# Altium PCB radxa_nx4_io_board_v1.11.PcbDoc (part 6 of 13) (continued)
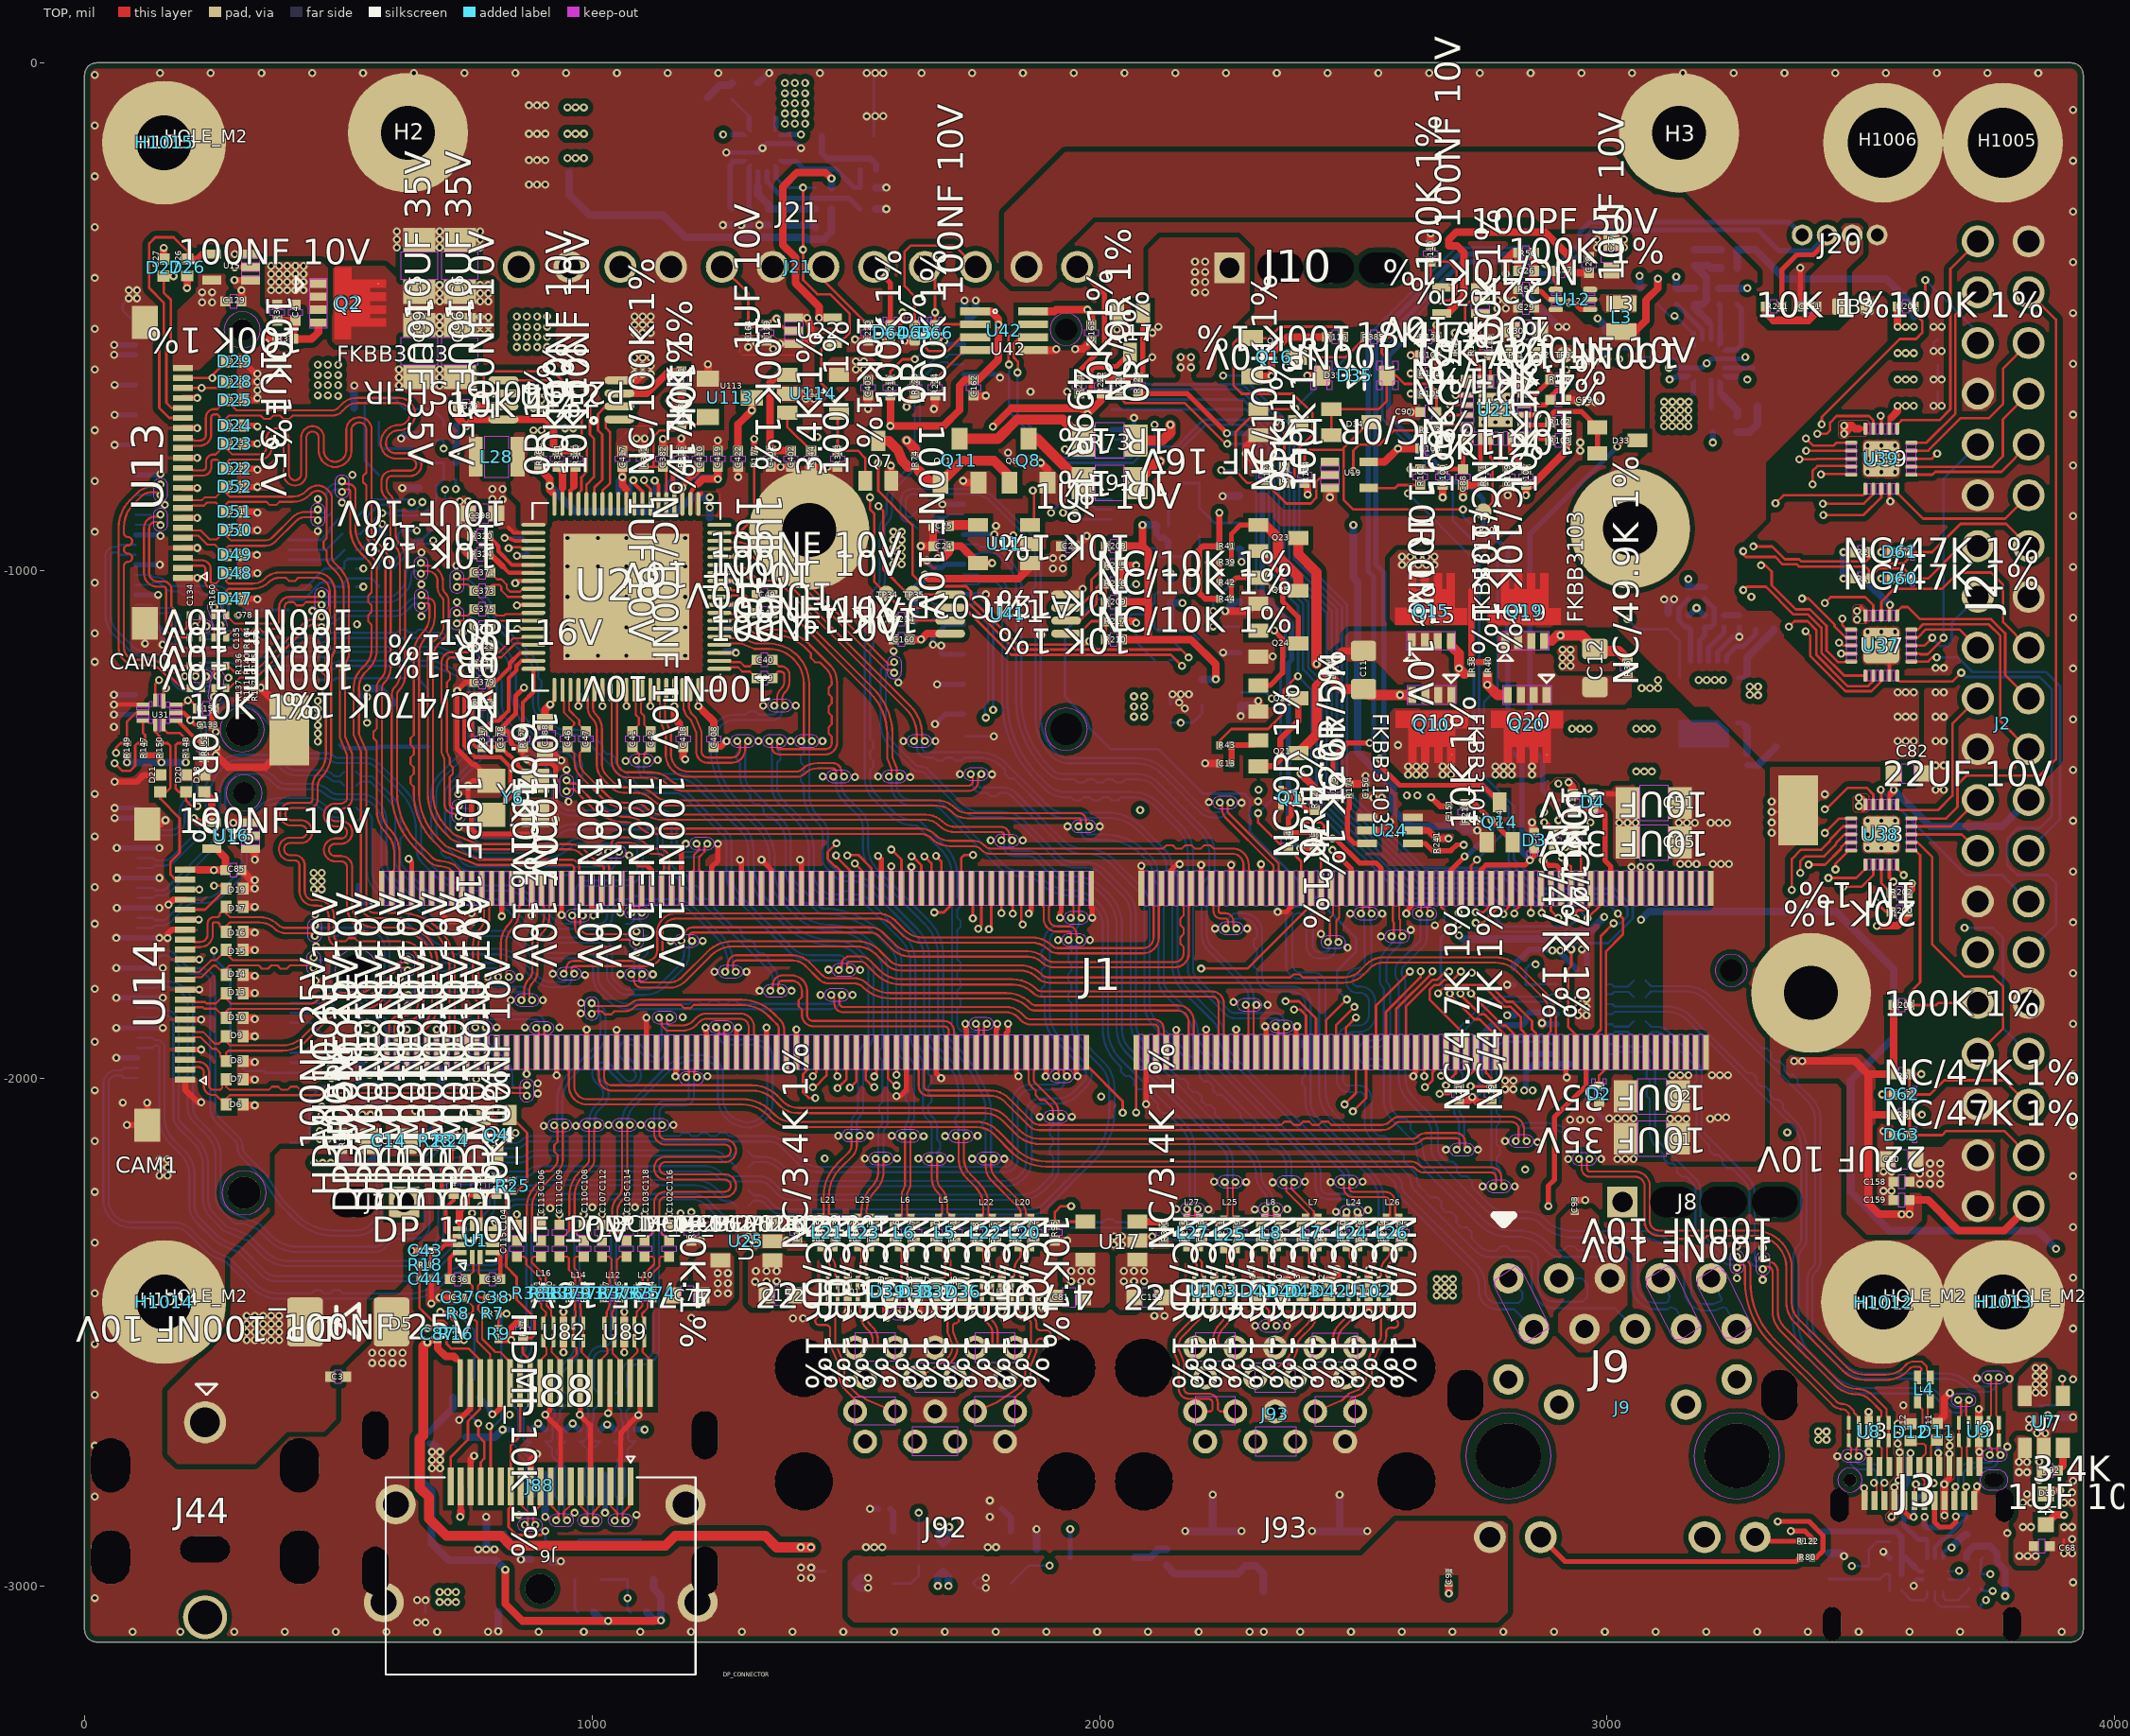
[diagram p0: TOP view]
## Nets (pads, with @x,y where several pads share a name; then routed paths per layer and width w, separated by ;. In a path a pad name is that pad's centre, name@x,y a point inside that pad or via, vN(x,y) a via of type N, cw(c..) or ccw(c..) an arc to the next point about the centre after c; other vN are vias at no path point) (continued)
HUB2_SSRX_P: L20.3 R354.1 U28.71 | length 1539.9
  TOP w4.06: U28.71@1130.99,-1235.07 1130.99,-1254.98 1133.69,-1257.68 1133.69,-1294.21 1144.37,-1320 1145.64,-1323.06 1145.64,-1362.54 ccw(c1189.46,-1362.54) 1189.46,-1406.36 1403.91,-1406.36 ccw(c1403.9,-1382.85) 1420.54,-1399.46 cw(c1443.85,-1422.79) 1443.85,-1389.81 1474.81,-1389.81 cw(c1474.81,-1396) 1481,-1396 1481,-1400.65 v1(1475.68,-1405.97) ; v1(1770.42,-2158.75) 1775.74,-2164.07 1775.74,-2173.7 ccw(c1816.04,-2173.71) 1787.54,-2202.2 1839.61,-2254.27 cw(c1827.03,-2266.85) 1844.82,-2266.84 1844.82,-2275.43 R354.1@1832,-2288.25
  BOTTOM w4.06: v1(1475.68,-1405.97) 1481,-1411.29 1481,-1420.93 ccw(c1526.24,-1420.92) 1494.25,-1452.91 1523.72,-1482.38 cw(c1499.49,-1506.63) 1533.77,-1506.62 1533.77,-1545.24 ccw(c1604.61,-1545.25) 1554.51,-1595.33 1655.91,-1696.73 cw(c1593.38,-1759.26) 1681.81,-1759.25 1681.81,-1903.97 ccw(c1709.17,-1903.97) 1689.81,-1923.3 1715.24,-1948.72 cw(c1569.19,-2094.78) 1752.56,-1999.7 1766.49,-2026.58 cw(c1693.35,-2064.51) 1775.74,-2064.51 1775.74,-2079.62 1769.44,-2085.92 1769.44,-2098.09 1775.74,-2104.39 1775.74,-2153.43 v1(1770.42,-2158.75)
HUB2_SSRX_P_J25: J92.6 L20.2 R354.2 U100.2 U100.9 | length 429.5
  TOP w4.06: J92.6@1754.74,-2656.55 1796.4,-2639.29 1837.46,-2611.88 1843.53,-2605.82 ccw(c1819.15,-2581.42) 1853.64,-2581.43 1853.64,-2565.24 1865.13,-2537.5 1865.13,-2483.49 ccw(c1856.46,-2483.49) 1856.46,-2474.82 1846.76,-2474.82 cw(c1846.76,-2460.4) 1832.34,-2460.4 1832.34,-2450.41 1827.68,-2445.75 U100.9@1827.68,-2437.22 U100.2@1827.68,-2402.78 1827.68,-2393.32 1832.35,-2388.65 1832.35,-2376.33 cw(c1859.77,-2376.34) 1840.38,-2356.95 ccw(c1829.71,-2346.25) 1844.82,-2346.26 1844.82,-2332.57 R354.2@1832,-2319.75
HUB2_SSTX_N: C42.2 L21.4 R353.1 | length 1255
  TOP w4.06: v1(1108.5,-1374.03) 1103.18,-1368.71 1103.18,-1360.57 C42.2@1116,-1347.75 ; R353.1@1480,-2288.25 1467,-2275.25 1467,-2231.24 cw(c1543.24,-2231.24) 1489.33,-2177.33 1513.29,-2153.37 ccw(c1492.59,-2132.66) 1521.87,-2132.66 1521.87,-2118.49 v1(1527.19,-2113.17)
  BOTTOM w4.06: v1(1108.5,-1374.03) 1102.27,-1380.26 1102.27,-1392.11 ccw(c1110.74,-1392.11) 1110.74,-1400.58 1172.66,-1400.58 cw(c1172.66,-1455.62) 1211.58,-1416.7 1299.71,-1504.83 cw(c1255.37,-1549.16) 1318.07,-1549.16 1318.07,-1569.85 ccw(c1447.38,-1569.85) 1355.94,-1661.28 1385.1,-1690.44 ccw(c1477.18,-1598.36) 1477.18,-1728.58 cw(c1477.22,-1802.55) 1529.53,-1750.25 1547.33,-1768.05 cw(c1528.66,-1786.73) 1555.07,-1786.73 1555.07,-1911.62 cw(c1513.28,-1911.62) 1542.83,-1941.17 ; v1(1527.19,-2113.17) 1521.87,-2107.85 1521.87,-2088.42 cw(c1537.06,-2088.43) 1526.34,-2077.67 ccw(c1506.67,-2057.94) 1534.53,-2057.94 1534.53,-1961.19 cw(c1562.82,-1961.19) 1542.82,-1941.18
HUB2_SSTX_N_J25: J92.8 L21.1 R353.2 U101.4 U101.7 | length 410.5
  TOP w4.06: R353.2@1480,-2319.75 1467.18,-2332.57 1467.18,-2343.06 ccw(c1482.29,-2343.05) 1471.61,-2353.74 cw(c1452.21,-2373.16) 1479.66,-2373.16 1479.66,-2388.67 1484.32,-2393.33 U101.4@1484.32,-2402.78 U101.7@1484.32,-2437.22 1484.32,-2447.68 1479.65,-2452.35 1479.65,-2522.12 1496.85,-2563.65 1496.85,-2580.75 ccw(c1535.24,-2580.75) 1508.09,-2607.89 1525.92,-2625.72 1535.29,-2628.56 1539.25,-2632.52 J92.8@1597.26,-2656.55
HUB2_SSTX_P: C41.2 L21.3 R355.1 | length 1254.1
  TOP w4.06: C41.2@1080,-1347.75 1092.82,-1360.57 1092.82,-1368.71 v1(1087.5,-1374.03) ; R355.1@1444,-2288.25 1456.64,-2275.61 1456.64,-2231.24 cw(c1543.24,-2231.23) 1482,-2170 1505.96,-2146.04 ccw(c1492.59,-2132.65) 1511.51,-2132.66 1511.51,-2118.49 v1(1506.19,-2113.17)
  BOTTOM w4.06: v1(1087.5,-1374.03) 1091.91,-1378.44 1091.91,-1392.11 ccw(c1110.74,-1392.11) 1110.74,-1410.94 1172.66,-1410.94 cw(c1172.65,-1455.62) 1204.25,-1424.03 1292.38,-1512.16 cw(c1255.38,-1549.17) 1307.71,-1549.16 1307.71,-1569.85 ccw(c1447.38,-1569.86) 1348.61,-1668.61 1377.77,-1697.77 ccw(c1477.17,-1598.35) 1477.18,-1738.94 cw(c1477.21,-1802.55) 1522.2,-1757.58 1540,-1775.38 cw(c1528.66,-1786.74) 1544.71,-1786.73 1544.71,-1911.62 cw(c1513.28,-1911.61) 1535.5,-1933.84 ccw(c1562.83,-1961.18) 1524.17,-1961.19 1524.17,-2057.94 cw(c1506.67,-2057.93) 1519.04,-2070.31 ; v1(1506.19,-2113.17) 1511.51,-2107.85 1511.51,-2088.41 cw(c1537.07,-2088.42) 1519.01,-2070.33
HUB2_SSTX_P_J25: J92.9 L21.2 R355.2 U101.5 U101.6 | length 408.7
  TOP w4.06: R355.2@1444,-2319.75 1456.82,-2332.57 1456.82,-2343.07 ccw(c1482.29,-2343.06) 1464.28,-2361.07 ; 1464.29,-2361.08 cw(c1452.21,-2373.17) 1469.3,-2373.16 1469.3,-2388.71 1464.63,-2393.38 U101.5@1464.63,-2402.78 U101.6@1464.63,-2437.22 1464.63,-2444.63 1469.29,-2449.29 1469.29,-2461.79 cw(c1461.17,-2461.79) 1461.17,-2469.91 1448.05,-2469.91 ccw(c1448.05,-2478.03) 1448.05,-2486.15 1461.17,-2486.15 cw(c1461.17,-2494.27) 1469.29,-2494.27 1469.29,-2524.19 1486.49,-2565.72 1486.49,-2580.75 ccw(c1535.24,-2580.76) 1500.76,-2615.22 1518.52,-2632.98 J92.9@1518.52,-2656.55
HUB3_DM: L7.3 R96.1 U28.66 | length 2150.6
  TOP w4.06: U28.66@1052.25,-1235.07 1052.25,-1255.76 1049.56,-1258.45 1049.56,-1375.86 ccw(c1071.34,-1375.86) 1071.34,-1397.64 1117.98,-1397.64 cw(c1117.98,-1448.72) 1154.1,-1412.6 ccw(c1181.62,-1385.08) 1181.62,-1424 1741.76,-1424 ccw(c1741.76,-1415.27) 1750.49,-1415.27 1750.49,-1405.37 v1(1746.08,-1400.96) ; v1(2362.35,-2205.18) 2367.67,-2210.5 2367.67,-2222.33 2412,-2266.66 2412,-2274.25 R96.1@2398,-2288.25
  BOTTOM w4.06: v1(1746.08,-1400.96) 1750.49,-1405.37 1750.49,-1421.94 ccw(c1766.56,-1421.94) 1766.56,-1438.01 1778.72,-1438.01 1785.02,-1444.31 1797.2,-1444.31 1803.5,-1438.01 1810.38,-1438.01 cw(c1810.38,-1462.56) 1827.74,-1445.2 1921.32,-1538.78 ccw(c1967.51,-1492.58) 1967.5,-1557.91 1972.92,-1557.91 cw(c1972.91,-1628.89) 2023.1,-1578.7 2076.34,-1631.94 cw(c2046.8,-1661.49) 2088.58,-1661.48 2088.58,-1852.8 ccw(c2154.13,-1852.81) 2107.78,-1899.16 2171.29,-1962.67 2171.29,-1971.59 2179.9,-1980.2 2188.82,-1980.2 2197.42,-1988.8 2197.42,-1997.72 2206.02,-2006.32 2214.94,-2006.32 2223.54,-2014.92 2223.54,-2023.84 2232.15,-2032.45 2241.07,-2032.45 2278.75,-2070.13 2278.75,-2079.05 2287.35,-2087.65 2296.27,-2087.65 2304.87,-2096.25 2304.87,-2105.17 2313.48,-2113.78 2322.4,-2113.78 2331,-2122.38 2331,-2131.3 2339.6,-2139.9 2348.52,-2139.9 2357.12,-2148.5 cw(c2331.66,-2173.97) 2367.67,-2173.96 2367.67,-2199.86 v1(2362.35,-2205.18)
HUB3_DM_J53: D43.1 J93.11 L7.2 R96.2 | length 355.9
  TOP w4.06: J93.11@2306.63,-2589.62 2331.71,-2589.62 2368.36,-2552.97 ccw(c2340.29,-2524.88) 2380,-2524.89 cw(c2407.84,-2524.87) 2388.15,-2505.19 2408.19,-2485.15 ccw(c2386.2,-2463.14) 2417.31,-2463.15 2417.31,-2445.3 2408.25,-2436.24 D43.1@2401.39,-2436.24 ; R96.2@2398,-2319.75 2398,-2329.99 2412.82,-2344.81 2412.82,-2371.48 2421.64,-2380.3 2421.64,-2415.99 D43.1@2401.39,-2436.24 ; D43.1@2400.49,-2436.24 D43.1@2401.39,-2436.24
HUB3_DP: L7.4 R97.1 U28.65 | length 2148.8
  TOP w4.06: U28.65@1036.5,-1235.07 1036.5,-1256.5 1039.2,-1259.2 1039.2,-1375.86 ccw(c1071.34,-1375.86) 1071.34,-1408 1117.98,-1408 cw(c1117.97,-1448.72) 1146.77,-1419.93 ccw(c1181.61,-1385.08) 1181.62,-1434.36 1741.76,-1434.36 ccw(c1741.76,-1415.27) 1760.85,-1415.27 1760.85,-1407.19 v1(1767.08,-1400.96) ; v1(2383.35,-2205.18) 2378.03,-2210.5 2378.03,-2218.03 2422.36,-2262.36 2422.36,-2272.61 R97.1@2438,-2288.25
  BOTTOM w4.06: v1(1767.08,-1400.96) 1760.85,-1407.19 1760.85,-1421.94 ccw(c1766.56,-1421.94) 1766.56,-1427.65 1810.38,-1427.65 cw(c1810.39,-1462.57) 1835.07,-1437.87 1928.65,-1531.45 ccw(c1967.52,-1492.58) 1967.51,-1547.55 1972.91,-1547.55 cw(c1972.92,-1628.89) 2030.43,-1571.37 2083.67,-1624.61 cw(c2046.79,-1661.48) 2098.94,-1661.48 2098.94,-1852.8 ccw(c2154.13,-1852.8) 2115.11,-1891.83 2364.45,-2141.17 cw(c2331.65,-2173.96) 2378.03,-2173.96 2378.03,-2199.86 v1(2383.35,-2205.18)
HUB3_DP_J53: D42.1 J93.12 L7.1 R97.2 | length 355
  TOP w4.06: J93.12@2385.37,-2589.62 2367.14,-2589.62 2359.63,-2582.11 2359.63,-2576.36 2375.69,-2560.3 ccw(c2340.29,-2524.89) 2390.36,-2524.89 cw(c2407.84,-2524.88) 2395.48,-2512.52 2415.52,-2492.48 ccw(c2386.19,-2463.15) 2427.67,-2463.16 2427.67,-2440.32 2431.75,-2436.24 D42.1@2451.59,-2436.24 ; R97.2@2438,-2319.75 2438,-2329.99 2423.18,-2344.81 2423.18,-2367.18 2432,-2376 2432,-2416.65 D42.1@2451.59,-2436.24 ; D42.1@2452.49,-2436.24 D42.1@2451.59,-2436.24
HUB3_SSRX_N: L24.4 R248.1 U28.63 | length 2238.5
  TOP w4.06: U28.63@1005.01,-1235.07 1005.01,-1254.99 1002.32,-1257.68 1002.32,-1270.7 ccw(c1020.72,-1270.7) 1007.71,-1283.71 cw(c978.09,-1313.36) 1020,-1313.35 1020,-1382.53 ccw(c1048.67,-1382.52) 1028.4,-1402.8 1046.09,-1420.49 ccw(c1062.82,-1403.77) 1062.81,-1427.42 1087.07,-1427.42 cw(c1087.07,-1479.45) 1123.86,-1442.66 ccw(c1148.8,-1417.76) 1148.79,-1453 1679.77,-1453 cw(c1679.79,-1504.21) 1716,-1468 ccw(c1739.51,-1444.5) 1739.5,-1477.74 1958.96,-1477.74 cw(c1958.96,-1492.16) 1973.38,-1492.16 1973.38,-1497.87 v1(1979.61,-1504.1) ; v1(2507.68,-2263.27) 2502.36,-2268.59 2502.36,-2272.61 R248.1@2518,-2288.25
  BOTTOM w4.06: v1(1979.61,-1504.1) 1974.29,-1509.42 1974.29,-1514.3 ccw(c1980.12,-1514.3) 1980.12,-1520.13 2010.41,-1520.13 cw(c2010.4,-1633.77) 2090.75,-1553.41 2102.58,-1565.24 cw(c2074.25,-1593.58) 2114.32,-1593.57 ; 2114.32,-1593.61 ccw(c2135.37,-1593.6) 2120.49,-1608.49 cw(c2106.37,-1622.64) 2126.36,-1622.64 2126.36,-1808.01 ccw(c2151.35,-1808.01) 2133.68,-1825.68 2174.39,-1866.39 cw(c2127.05,-1913.73) 2194,-1913.73 ccw(c2229.31,-1913.75) 2204.35,-1938.73 2420.65,-2155.03 cw(c2383.59,-2192.09) 2436,-2192.08 2436,-2214.51 ccw(c2449.49,-2214.51) 2449.49,-2228 2486.36,-2228 cw(c2486.36,-2244) 2502.36,-2244 2502.36,-2257.95 v1(2507.68,-2263.27)
HUB3_SSRX_N_J53: J93.14 L24.1 R248.2 U102.4 U102.7 | length 266.1
  TOP w4.06: J93.14@2503.48,-2530.57 2473.35,-2530.57 2469.29,-2526.51 2469.29,-2517.79 cw(c2505.7,-2517.79) 2479.96,-2492.04 2498.2,-2473.8 ccw(c2480.19,-2455.79) 2505.66,-2455.79 2505.66,-2450.33 2510.32,-2445.67 U102.7@2510.32,-2437.22 U102.4@2510.32,-2402.78 2510.32,-2393.31 2505.66,-2388.65 2505.66,-2351.79 2503.18,-2349.31 2503.18,-2334.57 R248.2@2518,-2319.75
HUB3_SSRX_P: L24.3 R250.1 U28.62 | length 2237.1
  TOP w4.06: U28.62@989.26,-1235.07 989.26,-1253.26 991.96,-1255.96 991.96,-1270.7 ccw(c1020.72,-1270.71) 1000.38,-1291.04 cw(c978.09,-1313.37) 1009.64,-1313.36 1009.64,-1382.53 ccw(c1048.68,-1382.53) 1021.07,-1410.13 1038.76,-1427.82 ccw(c1062.81,-1403.76) 1062.8,-1437.78 1087.07,-1437.78 cw(c1087.06,-1479.44) 1116.53,-1449.99 ccw(c1148.79,-1417.76) 1148.78,-1463.36 1679.78,-1463.36 cw(c1679.78,-1504.21) 1708.67,-1475.33 ccw(c1739.5,-1444.5) 1739.49,-1488.1 1958.96,-1488.1 cw(c1958.96,-1492.16) 1963.02,-1492.16 1963.02,-1499.69 v1(1958.61,-1504.1) ; R250.1@2478,-2288.25 2492,-2274.25 2492,-2268.59 v1(2486.68,-2263.27)
  BOTTOM w4.06: v1(1958.61,-1504.1) 1963.93,-1509.42 1963.93,-1514.3 ccw(c1980.12,-1514.3) 1980.12,-1530.49 2010.4,-1530.49 cw(c2010.39,-1633.76) 2083.42,-1560.74 2095.25,-1572.57 cw(c2074.25,-1593.59) 2103.96,-1593.58 ccw(c2135.37,-1593.61) 2113.16,-1615.82 ; 2113.18,-1615.84 cw(c2106.37,-1622.65) 2116,-1622.64 2116,-1808.01 ccw(c2151.35,-1808.02) 2126.35,-1833.01 2167.06,-1873.72 cw(c2127.06,-1913.74) 2183.64,-1913.73 ccw(c2229.32,-1913.76) 2197.02,-1946.06 2413.32,-2162.36 cw(c2383.59,-2192.1) 2425.64,-2192.09 2425.64,-2214.51 ccw(c2449.49,-2214.51) 2449.49,-2238.36 2486.36,-2238.36 cw(c2486.36,-2244) 2492,-2244 2492,-2257.95 v1(2486.68,-2263.27)
HUB3_SSRX_P_J53: J93.15 L24.2 R250.2 U102.5 U102.6 | length 266.1
  TOP w4.06: J93.15@2424.74,-2530.57 2454.87,-2530.57 2458.93,-2526.51 2458.93,-2517.79 cw(c2505.7,-2517.78) 2472.63,-2484.71 2490.87,-2466.47 ccw(c2480.19,-2455.78) 2495.3,-2455.79 2495.3,-2451.29 2490.63,-2446.62 U102.6@2490.63,-2437.22 U102.5@2490.63,-2402.78 2490.63,-2393.38 2495.3,-2388.71 2495.3,-2356.09 2492.82,-2353.61 2492.82,-2334.57 R250.2@2478,-2319.75
HUB3_SSTX_N: C47.2 L25.4 R249.1 | length 1949
  TOP w4.06: C47.2@988,-1347.75 976,-1359.75 976,-1376.1 ccw(c1007.63,-1376.1) 985.27,-1398.47 1028.68,-1441.88 ccw(c1066.75,-1403.78) 1066.7,-1457.64 1083.53,-1457.67 cw(c1083.5,-1491.89) 1107.7,-1467.69 ccw(c1139.83,-1435.57) 1139.82,-1481 1658.22,-1481 cw(c1658.22,-1526.34) 1690.28,-1494.28 ccw(c1716.53,-1468.05) 1716.53,-1505.16 1806.42,-1505.16 cw(c1806.42,-1521.1) 1822.36,-1521.1 1822.36,-1526.23 v1(1827.68,-1531.55) ; v1(2267.68,-2204.45) 2262.36,-2209.77 2262.36,-2274.61 R249.1@2276,-2288.25
  BOTTOM w4.06: v1(1827.68,-1531.55) 1822.36,-1536.87 1822.36,-1543.69 ccw(c1830.67,-1543.69) 1830.67,-1552 1859.98,-1552 cw(c1859.97,-1580.1) 1879.84,-1560.23 1901.93,-1582.32 ccw(c1950.37,-1533.9) 1950.36,-1602.39 ; 1950.38,-1602.39 cw(c1950.37,-1683.22) 2007.52,-1626.06 2018,-1636.54 cw(c1955,-1699.55) 2044.1,-1699.54 2044.1,-1903.58 ccw(c2099.46,-1903.58) 2060.31,-1942.72 2250.19,-2132.6 cw(c2220.82,-2161.98) 2262.36,-2161.97 2262.36,-2199.13 v1(2267.68,-2204.45)
HUB3_SSTX_N_J53: J93.17 L25.1 R249.2 U103.1 U103.10 | length 260.5
  TOP w4.06: J93.17@2267.26,-2530.57 2237.13,-2530.57 2233.07,-2526.51 2233.07,-2518.62 cw(c2270.95,-2518.62) 2244.17,-2491.83 2246.22,-2489.78 ccw(c2211.28,-2454.83) 2260.7,-2454.83 2260.7,-2451.29 2265.37,-2446.62 U103.10@2265.37,-2437.22 U103.1@2265.37,-2402.78 2265.37,-2393.37 2260.71,-2388.71 2260.71,-2372 2262.18,-2370.53 2262.18,-2333.57 R249.2@2276,-2319.75
HUB3_SSTX_P: C46.2 L25.3 R251.1 | length 1949.8
  TOP w4.06: C46.2@952,-1347.75 965.64,-1361.39 965.64,-1376.1 ccw(c1007.63,-1376.11) 977.94,-1405.8 1021.35,-1449.22 ccw(c1066.73,-1403.78) 1037.77,-1461.1 ccw(c1066.75,-1403.79) 1066.69,-1468.01 1083.52,-1468.03 cw(c1083.5,-1491.89) 1100.37,-1475.02 ccw(c1139.82,-1435.57) 1139.82,-1491.36 1658.22,-1491.36 cw(c1658.21,-1526.34) 1682.95,-1501.61 ccw(c1716.52,-1468.05) 1716.53,-1515.52 1806.42,-1515.52 cw(c1806.42,-1521.1) 1812,-1521.1 1812,-1526.23 v1(1806.68,-1531.55) ; R251.1@2238,-2288.25 2252,-2274.25 2252,-2209.77 v1(2246.68,-2204.45)
  BOTTOM w4.06: v1(1806.68,-1531.55) 1812,-1536.87 1812,-1543.69 ccw(c1830.67,-1543.69) 1830.67,-1562.36 1859.97,-1562.36 cw(c1859.96,-1580.1) 1872.51,-1567.56 1894.6,-1589.65 ccw(c1950.36,-1533.9) 1950.36,-1612.75 cw(c1950.36,-1683.21) 2000.19,-1633.39 2010.67,-1643.87 cw(c1955,-1699.55) 2033.74,-1699.55 2033.74,-1903.58 ccw(c2099.46,-1903.59) 2052.98,-1950.05 2242.86,-2139.93 cw(c2220.82,-2161.98) 2252,-2161.98 2252,-2199.13 v1(2246.68,-2204.45)
HUB3_SSTX_P_J53: J93.18 L25.2 R251.2 U103.2 U103.9 | length 260.5
  TOP w4.06: J93.18@2188.52,-2530.57 2218.65,-2530.57 2222.71,-2526.51 2222.71,-2518.62 cw(c2270.95,-2518.61) 2236.84,-2484.5 2238.89,-2482.45 ccw(c2211.28,-2454.82) 2250.34,-2454.83 2250.34,-2451.33 2245.68,-2446.67 U103.9@2245.68,-2437.22 U103.2@2245.68,-2402.78 2245.68,-2394.32 2250.35,-2389.65 2250.35,-2367.7 2251.82,-2366.23 2251.82,-2333.57 R251.2@2238,-2319.75
HUB4_DM: L8.3 R98.1 U28.17 | length 1966.9
  TOP w4.06: U28.17@1251.07,-941.76 1269.76,-941.76 1272.45,-944.45 1287.91,-944.45 cw(c1287.92,-981.1) 1313.83,-955.18 1347.63,-988.97 ccw(c1355.8,-980.79) 1355.8,-992.35 1374.76,-992.35 1403.41,-1004.21 1584.95,-1185.75 1590.3,-1185.75 v1(1595.62,-1180.43) ; R98.1@2318,-2288.25 2332,-2274.25 2332,-2263.29 v1(2326.68,-2257.97)
  BOTTOM w4.06: v1(1595.62,-1180.43) 1590.3,-1185.75 1584,-1185.75 ccw(c1584,-1201.17) 1568.58,-1201.17 1568.58,-1300.57 ccw(c1635.34,-1300.58) 1588.13,-1347.78 1629.58,-1389.23 ccw(c1645.75,-1373.06) 1645.75,-1395.93 ; 1645.78,-1395.93 cw(c1645.78,-1409.82) 1655.6,-1400 1723.95,-1468.35 ccw(c1766.03,-1426.26) 1766.04,-1485.78 1809.06,-1485.78 cw(c1809.05,-1535.19) 1844,-1500.26 1912.71,-1568.97 ccw(c1952.21,-1529.46) 1952.21,-1585.33 1972.91,-1585.33 cw(c1972.9,-1628.86) 2003.68,-1598.08 2046.18,-1640.58 cw(c2010.03,-1676.74) 2061.16,-1676.73 2061.16,-1888.29 ccw(c2136.34,-1888.3) 2083.18,-1941.46 2292.44,-2150.72 cw(c2254.89,-2188.28) 2308,-2188.27 ; 2308,-2188.31 ccw(c2358.46,-2188.3) 2322.78,-2223.98 2323.06,-2224.26 cw(c2301.49,-2245.84) 2332,-2245.83 2332,-2252.65 v1(2326.68,-2257.97)
HUB4_DM_J53: D41.1 J93.2 L8.2 R98.2 | length 997.8
  TOP w4.06: R98.2@2318,-2319.75 2318,-2329.99 2333.82,-2345.81 2333.82,-2432.18 2329.76,-2436.24 D41.1@2312.49,-2436.24 2333.73,-2457.48 2333.73,-2481.77 v1(2327.5,-2488)
  ART03 w3.15: J93.2@2306.63,-2715.61 2346.32,-2715.61 2349.47,-2718.76 2349.47,-2744 cw(c2322.53,-2744) 2322.53,-2770.94 2304.36,-2770.94 2298.45,-2765.03 2286.27,-2765.03 2280.36,-2770.94 2268.18,-2770.94 2262.27,-2765.03 2250.09,-2765.03 2244.18,-2770.94 2232,-2770.94 2226.09,-2765.03 2213.91,-2765.03 2208,-2770.94 2187.54,-2770.94 cw(c2187.54,-2726.36) 2142.96,-2726.36 2142.96,-2711.67 2148.87,-2705.76 2148.87,-2693.58 2142.96,-2687.67 2142.96,-2675.49 2148.87,-2669.58 2148.87,-2657.4 2142.96,-2651.49 cw(c2187.48,-2651.48) 2155.99,-2620.01 2159.51,-2616.48 ccw(c2139.03,-2595.99) 2168,-2596 2168,-2567.97 2161.84,-2553.1 2157.06,-2541.56 2157.06,-2498.76 cw(c2173.18,-2498.76) 2173.18,-2482.64 2182.63,-2482.64 2188.54,-2488.55 2198,-2488.55 2203.91,-2482.64 2213.35,-2482.64 2219.26,-2488.55 2228.72,-2488.55 2234.63,-2482.64 2262.76,-2482.64 ccw(c2262.75,-2459.75) 2279,-2475.87 2281.52,-2473.35 cw(c2283.76,-2475.59) 2283.75,-2472.42 2328.6,-2472.42 cw(c2328.6,-2477.29) 2333.47,-2477.29 2333.47,-2482.03 v1(2327.5,-2488)
HUB4_DP: L8.4 R99.1 U28.16 | length 1967.3
  TOP w4.06: U28.16@1251.07,-957.51 1270.49,-957.51 1273.19,-954.81 1287.91,-954.81 cw(c1287.9,-981.1) 1296,-956.09 cw(c1287.92,-981.11) 1306.5,-962.51 1340.3,-996.31 ccw(c1355.78,-980.78) 1355.8,-1002.71 1372.7,-1002.71 1397.54,-1013 1580.65,-1196.11 1590.3,-1196.11 v1(1595.62,-1201.43) ; v1(2347.68,-2257.97) 2342.36,-2263.29 2342.36,-2272.61 R99.1@2358,-2288.25
  BOTTOM w4.06: v1(1595.62,-1201.43) 1590.3,-1196.11 1584,-1196.11 ccw(c1584,-1201.17) 1578.94,-1201.17 1578.94,-1300.57 ccw(c1635.34,-1300.57) 1595.46,-1340.45 1636.91,-1381.9 ccw(c1645.76,-1373.06) 1645.76,-1385.57 ; 1645.79,-1385.57 cw(c1645.78,-1409.83) 1662.93,-1392.67 1731.28,-1461.02 ccw(c1766.04,-1426.27) 1766.04,-1475.42 1809.06,-1475.42 cw(c1809.06,-1535.2) 1851.33,-1492.93 1920.04,-1561.64 ccw(c1952.22,-1529.46) 1952.22,-1574.97 1972.9,-1574.97 cw(c1972.91,-1628.86) 2011.01,-1590.75 2053.51,-1633.25 cw(c2010.03,-1676.73) 2071.52,-1676.73 2071.52,-1888.29 ccw(c2136.34,-1888.29) 2090.51,-1934.13 2157.43,-2001.05 2166.35,-2001.05 2174.96,-2009.66 2174.96,-2018.58 2183.56,-2027.18 2192.48,-2027.18 2201.08,-2035.78 2201.08,-2044.7 2209.68,-2053.3 2218.6,-2053.3 2227.21,-2061.91 2227.21,-2070.83 2299.77,-2143.39 cw(c2254.89,-2188.27) 2318.36,-2188.27 ; 2318.36,-2188.3 ccw(c2358.45,-2188.29) 2330.11,-2216.65 2330.39,-2216.93 cw(c2301.49,-2245.83) 2342.36,-2245.82 2342.36,-2252.65 v1(2347.68,-2257.97)
HUB4_DP_J53: D40.1 J93.3 L8.1 R99.2 | length 998.5
  TOP w4.06: v1(2348.5,-2488) 2344.09,-2483.59 2344.09,-2456.64 D40.1@2364.49,-2436.24 2350.6,-2436.24 2344.18,-2429.82 2344.18,-2343.81 2358,-2329.99 R99.2@2358,-2319.75
  ART03 w3.15: v1(2348.5,-2488) 2342.53,-2482.03 2342.53,-2477.29 ccw(c2328.6,-2477.29) 2328.6,-2463.36 2283.73,-2463.36 ccw(c2283.75,-2475.59) 2275.1,-2466.94 2272.56,-2469.48 cw(c2262.73,-2459.75) 2262.75,-2473.58 2173.18,-2473.58 ccw(c2173.18,-2498.76) 2148,-2498.76 2148,-2543.37 2158.94,-2569.78 2158.94,-2595.99 cw(c2139.04,-2595.98) 2153.1,-2610.06 2149.57,-2613.6 ccw(c2187.49,-2651.47) 2133.9,-2651.47 2133.9,-2726.36 ccw(c2187.54,-2726.36) 2187.54,-2780 2322.53,-2780 ccw(c2322.53,-2744) 2358.53,-2744 2358.53,-2721.48 2364.4,-2715.61 J93.3@2385.37,-2715.61
HUB4_SSRX_N: L26.4 R252.1 U28.14 | length 2098.6
  TOP w4.06: U28.14@1251.07,-989.01 1271.02,-989.01 1273.71,-991.7 1273.93,-991.7 1284,-991.69 1287.94,-991.69 cw(c1287.94,-1020.06) 1296,-992.86 cw(c1287.94,-1020.06) 1308,-1000 1317.9,-1009.9 ccw(c1341.72,-986.1) 1341.71,-1019.77 1369.28,-1019.77 1387.87,-1027.47 1626.69,-1266.29 cw(c1569.53,-1323.44) 1650.36,-1323.44 1650.36,-1330.68 v1(1655.68,-1336) ; v1(2497.32,-2203.91) 2492,-2209.23 2492,-2216.75 ccw(c2499.25,-2216.75) 2499.25,-2224 2562.36,-2224 cw(c2562.36,-2244) 2582.36,-2244 2582.36,-2274.61 R252.1@2596,-2288.25
  BOTTOM w4.06: v1(1655.68,-1336) 1650.36,-1341.32 1650.36,-1348 ccw(c1660.51,-1348) 1660.51,-1358.15 1762.86,-1358.15 cw(c1762.86,-1433.69) 1816.28,-1380.28 1900.36,-1464.36 ccw(c1930.41,-1434.32) 1930.41,-1476.81 2015.28,-1476.81 cw(c2015.28,-1574.18) 2084.13,-1505.33 2129.35,-1550.55 cw(c2099.44,-1580.46) 2141.74,-1580.46 ; 2141.74,-1580.49 ccw(c2156.85,-1580.48) 2146.17,-1591.17 ; 2146.19,-1591.19 cw(c2127.88,-1609.51) 2153.78,-1609.51 2153.78,-1776.92 ccw(c2218.43,-1776.92) 2172.72,-1822.64 2232.53,-1882.45 cw(c2204.85,-1910.14) 2244,-1910.13 ccw(c2306.42,-1910.15) 2262.29,-1954.29 2484.54,-2176.54 cw(c2466.53,-2194.55) 2492,-2194.54 2492,-2198.59 v1(2497.32,-2203.91)
HUB4_SSRX_N_J53: J93.5 L26.1 R252.2 U102.1 U102.10 | length 420.1
  TOP w4.06: J93.5@2503.48,-2656.55 2490.84,-2643.91 2490.85,-2636.18 2496.84,-2630.2 2516.72,-2621.95 2524.73,-2613.94 ccw(c2497.51,-2586.73) 2536,-2586.73 2536,-2564.62 2548.29,-2534.99 2557.25,-2526.03 ccw(c2539.24,-2508.02) 2564.71,-2508.02 2564.71,-2499.76 cw(c2572.83,-2499.76) 2572.83,-2491.64 2580.32,-2491.64 ccw(c2580.32,-2483.52) 2580.32,-2475.4 2572.83,-2475.4 cw(c2572.83,-2467.28) 2564.71,-2467.28 2564.71,-2451.29 2569.37,-2446.63 U102.10@2569.37,-2437.22 U102.1@2569.37,-2402.78 2569.37,-2394.37 2564.71,-2389.71 2564.71,-2380.23 cw(c2586.27,-2380.23) 2571.03,-2364.98 ; 2571.05,-2364.96 ccw(c2544.18,-2338.09) 2582.18,-2338.09 2582.18,-2333.57 R252.2@2596,-2319.75
HUB4_SSRX_P: L26.3 R254.1 U28.13 | length 2098
  TOP w4.06: U28.13@1251.07,-1004.76 1271.23,-1004.76 1273.93,-1002.06 1284.01,-1002.05 1287.93,-1002.05 cw(c1287.93,-1020.06) 1300.67,-1007.33 1310.57,-1017.23 ccw(c1341.71,-986.09) 1341.71,-1030.13 1367.21,-1030.13 1382,-1036.26 1619.36,-1273.62 cw(c1569.54,-1323.45) 1640,-1323.44 1640,-1330.68 v1(1634.68,-1336) ; v1(2476.32,-2203.91) 2481.64,-2209.23 2481.64,-2216.75 ccw(c2499.25,-2216.75) 2499.25,-2234.36 2562.36,-2234.36 cw(c2562.36,-2244) 2572,-2244 2572,-2274.25 R254.1@2558,-2288.25
  BOTTOM w4.06: v1(1634.68,-1336) 1640,-1341.32 1640,-1348 ccw(c1660.51,-1348) 1660.51,-1368.51 1672.68,-1368.51 1678.98,-1374.81 1691.16,-1374.81 1697.46,-1368.51 1709.62,-1368.51 1715.92,-1374.81 1728.1,-1374.81 1734.4,-1368.51 1762.86,-1368.51 cw(c1762.85,-1433.69) 1808.94,-1387.6 1813.55,-1392.21 1813.55,-1401.13 1822.16,-1409.74 1831.08,-1409.74 1893.03,-1471.69 ccw(c1930.4,-1434.32) 1930.41,-1487.17 2015.28,-1487.17 cw(c2015.27,-1574.17) 2076.8,-1512.66 2122.02,-1557.88 cw(c2099.45,-1580.47) 2131.38,-1580.46 ; 2131.38,-1580.5 ccw(c2156.85,-1580.49) 2138.84,-1598.5 cw(c2127.88,-1609.52) 2143.42,-1609.51 2143.42,-1776.92 ccw(c2218.44,-1776.93) 2165.39,-1829.97 2225.2,-1889.78 cw(c2204.85,-1910.14) 2233.64,-1910.14 ccw(c2306.42,-1910.15) 2254.96,-1961.62 2477.21,-2183.87 cw(c2466.53,-2194.56) 2481.64,-2194.55 2481.64,-2198.59 v1(2476.32,-2203.91)
HUB4_SSRX_P_J53: J93.6 L26.2 R254.2 U102.2 U102.9 | length 418.4
  TOP w4.06: J93.6@2424.74,-2656.55 2477.76,-2634.58 2490.97,-2621.4 2510.84,-2613.16 2517.4,-2606.61 ccw(c2497.52,-2586.72) 2525.64,-2586.73 2525.64,-2562.55 2539.5,-2529.11 2549.92,-2518.7 ccw(c2539.24,-2508.01) 2554.35,-2508.02 2554.35,-2452.35 2549.68,-2447.68 U102.9@2549.68,-2437.22 U102.2@2549.68,-2402.78 2549.68,-2393.32 2554.35,-2388.65 2554.35,-2380.23 cw(c2586.27,-2380.22) 2563.7,-2357.65 ccw(c2544.18,-2338.08) 2571.82,-2338.09 2571.82,-2333.57 R254.2@2558,-2319.75
HUB4_SSTX_N: C49.2 L27.4 R253.1 | length 1679.2
  TOP w4.06: C49.2@1355.75,-1048 1367.57,-1059.82 1373.57,-1059.82 cw(c1373.57,-1078.77) 1386.97,-1065.37 1555.14,-1233.54 cw(c1466.15,-1322.53) 1592,-1322.53 1592,-1368.01 1600.71,-1389.04 1600.71,-1400.7 v1(1606.03,-1406.02) ; v1(2193.32,-2257.97) 2188,-2263.29 2188,-2274.25 R253.1@2202,-2288.25
  BOTTOM w4.06: v1(1606.03,-1406.02) 1600.71,-1411.34 1600.71,-1424 ccw(c1628.71,-1424) 1628.71,-1452 1665.94,-1452 cw(c1665.94,-1494.3) 1695.85,-1464.39 1809.59,-1578.13 ccw(c1843.07,-1544.66) 1843.06,-1592 1851.51,-1592 cw(c1851.53,-1643.43) 1887.42,-1606.59 ccw(c1942.79,-1552.18) 1942.78,-1629.81 cw(c1942.8,-1701.44) 1993.45,-1650.79 1998.6,-1655.94 cw(c1954.95,-1699.59) 2016.68,-1699.59 2016.68,-1903.59 ccw(c2099.46,-1903.59) 2040.93,-1962.13 2165.6,-2086.8 cw(c2111.54,-2140.87) 2188,-2140.87 2188,-2252.65 v1(2193.32,-2257.97)
HUB4_SSTX_N_J53: J93.8 L27.1 R253.2 U103.4 U103.7 | length 456.2
  TOP w4.06: R253.2@2202,-2319.75 2189.18,-2332.57 2189.18,-2349.19 2201.65,-2361.66 2201.65,-2388.65 2206.32,-2393.32 U103.4@2206.32,-2402.78 U103.7@2206.32,-2437.22 2206.32,-2445.74 2201.65,-2450.41 2201.65,-2459.81 cw(c2176.18,-2459.8) 2194.19,-2477.81 2163.71,-2508.29 ccw(c2182.28,-2526.88) 2156,-2526.88 2156,-2535.33 2166.36,-2560.36 2166.36,-2611.63 ccw(c2176,-2611.63) 2176,-2621.27 2214.34,-2621.27 cw(c2214.34,-2640) 2233.07,-2640 2233.07,-2652.49 2237.13,-2656.55 J93.8@2267.26,-2656.55
HUB4_SSTX_P: C48.2 L27.3 R255.1 | length 1678.4
  TOP w4.06: C48.2@1355.75,-1084 1369.57,-1070.18 1373.57,-1070.18 cw(c1373.56,-1078.77) 1379.64,-1072.7 1547.81,-1240.87 cw(c1466.15,-1322.54) 1581.64,-1322.53 1581.63,-1370.07 1590.35,-1391.11 1590.35,-1400.7 v1(1585.03,-1406.02) ; R255.1@2166,-2288.25 2177.64,-2276.61 2177.64,-2263.29 v1(2172.32,-2257.97)
  BOTTOM w4.06: v1(1585.03,-1406.02) 1590.35,-1411.34 1590.35,-1424 ccw(c1628.71,-1424) 1628.71,-1462.36 1665.94,-1462.36 cw(c1665.93,-1494.29) 1688.52,-1471.72 1802.26,-1585.46 ccw(c1843.06,-1544.65) 1843.07,-1602.36 1851.51,-1602.36 cw(c1851.52,-1643.42) 1880.55,-1614.38 ccw(c1942.78,-1552.17) 1942.78,-1640.17 cw(c1942.79,-1701.44) 1986.12,-1658.12 1991.27,-1663.27 cw(c1954.95,-1699.6) 2006.32,-1699.59 2006.32,-1903.59 ccw(c2099.47,-1903.6) 2033.6,-1969.46 2042.2,-1978.06 2042.2,-1986.98 2050.81,-1995.59 2059.73,-1995.59 2068.33,-2004.19 2068.33,-2013.11 2076.93,-2021.71 2085.85,-2021.71 2115.31,-2051.17 2115.31,-2060.09 2123.92,-2068.7 2132.84,-2068.7 2158.27,-2094.13 cw(c2111.54,-2140.88) 2177.64,-2140.87 2177.64,-2252.65 v1(2172.32,-2257.97)
HUB4_SSTX_P_J53: J93.9 L27.2 R255.2 U103.5 U103.6 | length 456.2
  TOP w4.06: R255.2@2166,-2319.75 2178.82,-2332.57 2178.82,-2353.49 2191.29,-2365.96 2191.29,-2388.71 2186.63,-2393.37 U103.5@2186.63,-2402.78 U103.6@2186.63,-2437.22 2186.63,-2446.63 2191.29,-2451.29 2191.29,-2459.8 cw(c2176.18,-2459.79) 2186.86,-2470.48 2156.38,-2500.96 ccw(c2182.28,-2526.88) 2145.64,-2526.87 2145.64,-2537.39 2156,-2562.43 2156,-2611.63 ccw(c2176,-2611.63) 2176,-2631.63 2214.34,-2631.63 cw(c2214.34,-2640) 2222.71,-2640 2222.71,-2652.49 2218.65,-2656.55 J93.9@2188.52,-2656.55